# Altium PCB 脑电采集板V6.0.PcbDoc (part 2 of 2)
Units mil, origin at the board's own origin, x right, y up, seen from the top; angles counter-clockwise.
Board outline 2952.76 x 2952.76 mil, 4 copper layers (Top Layer, GND02, PWR03, Bottom Layer), stack 30.634 mil thick; 182 components, 137 nets, 727 pads, 321 vias.
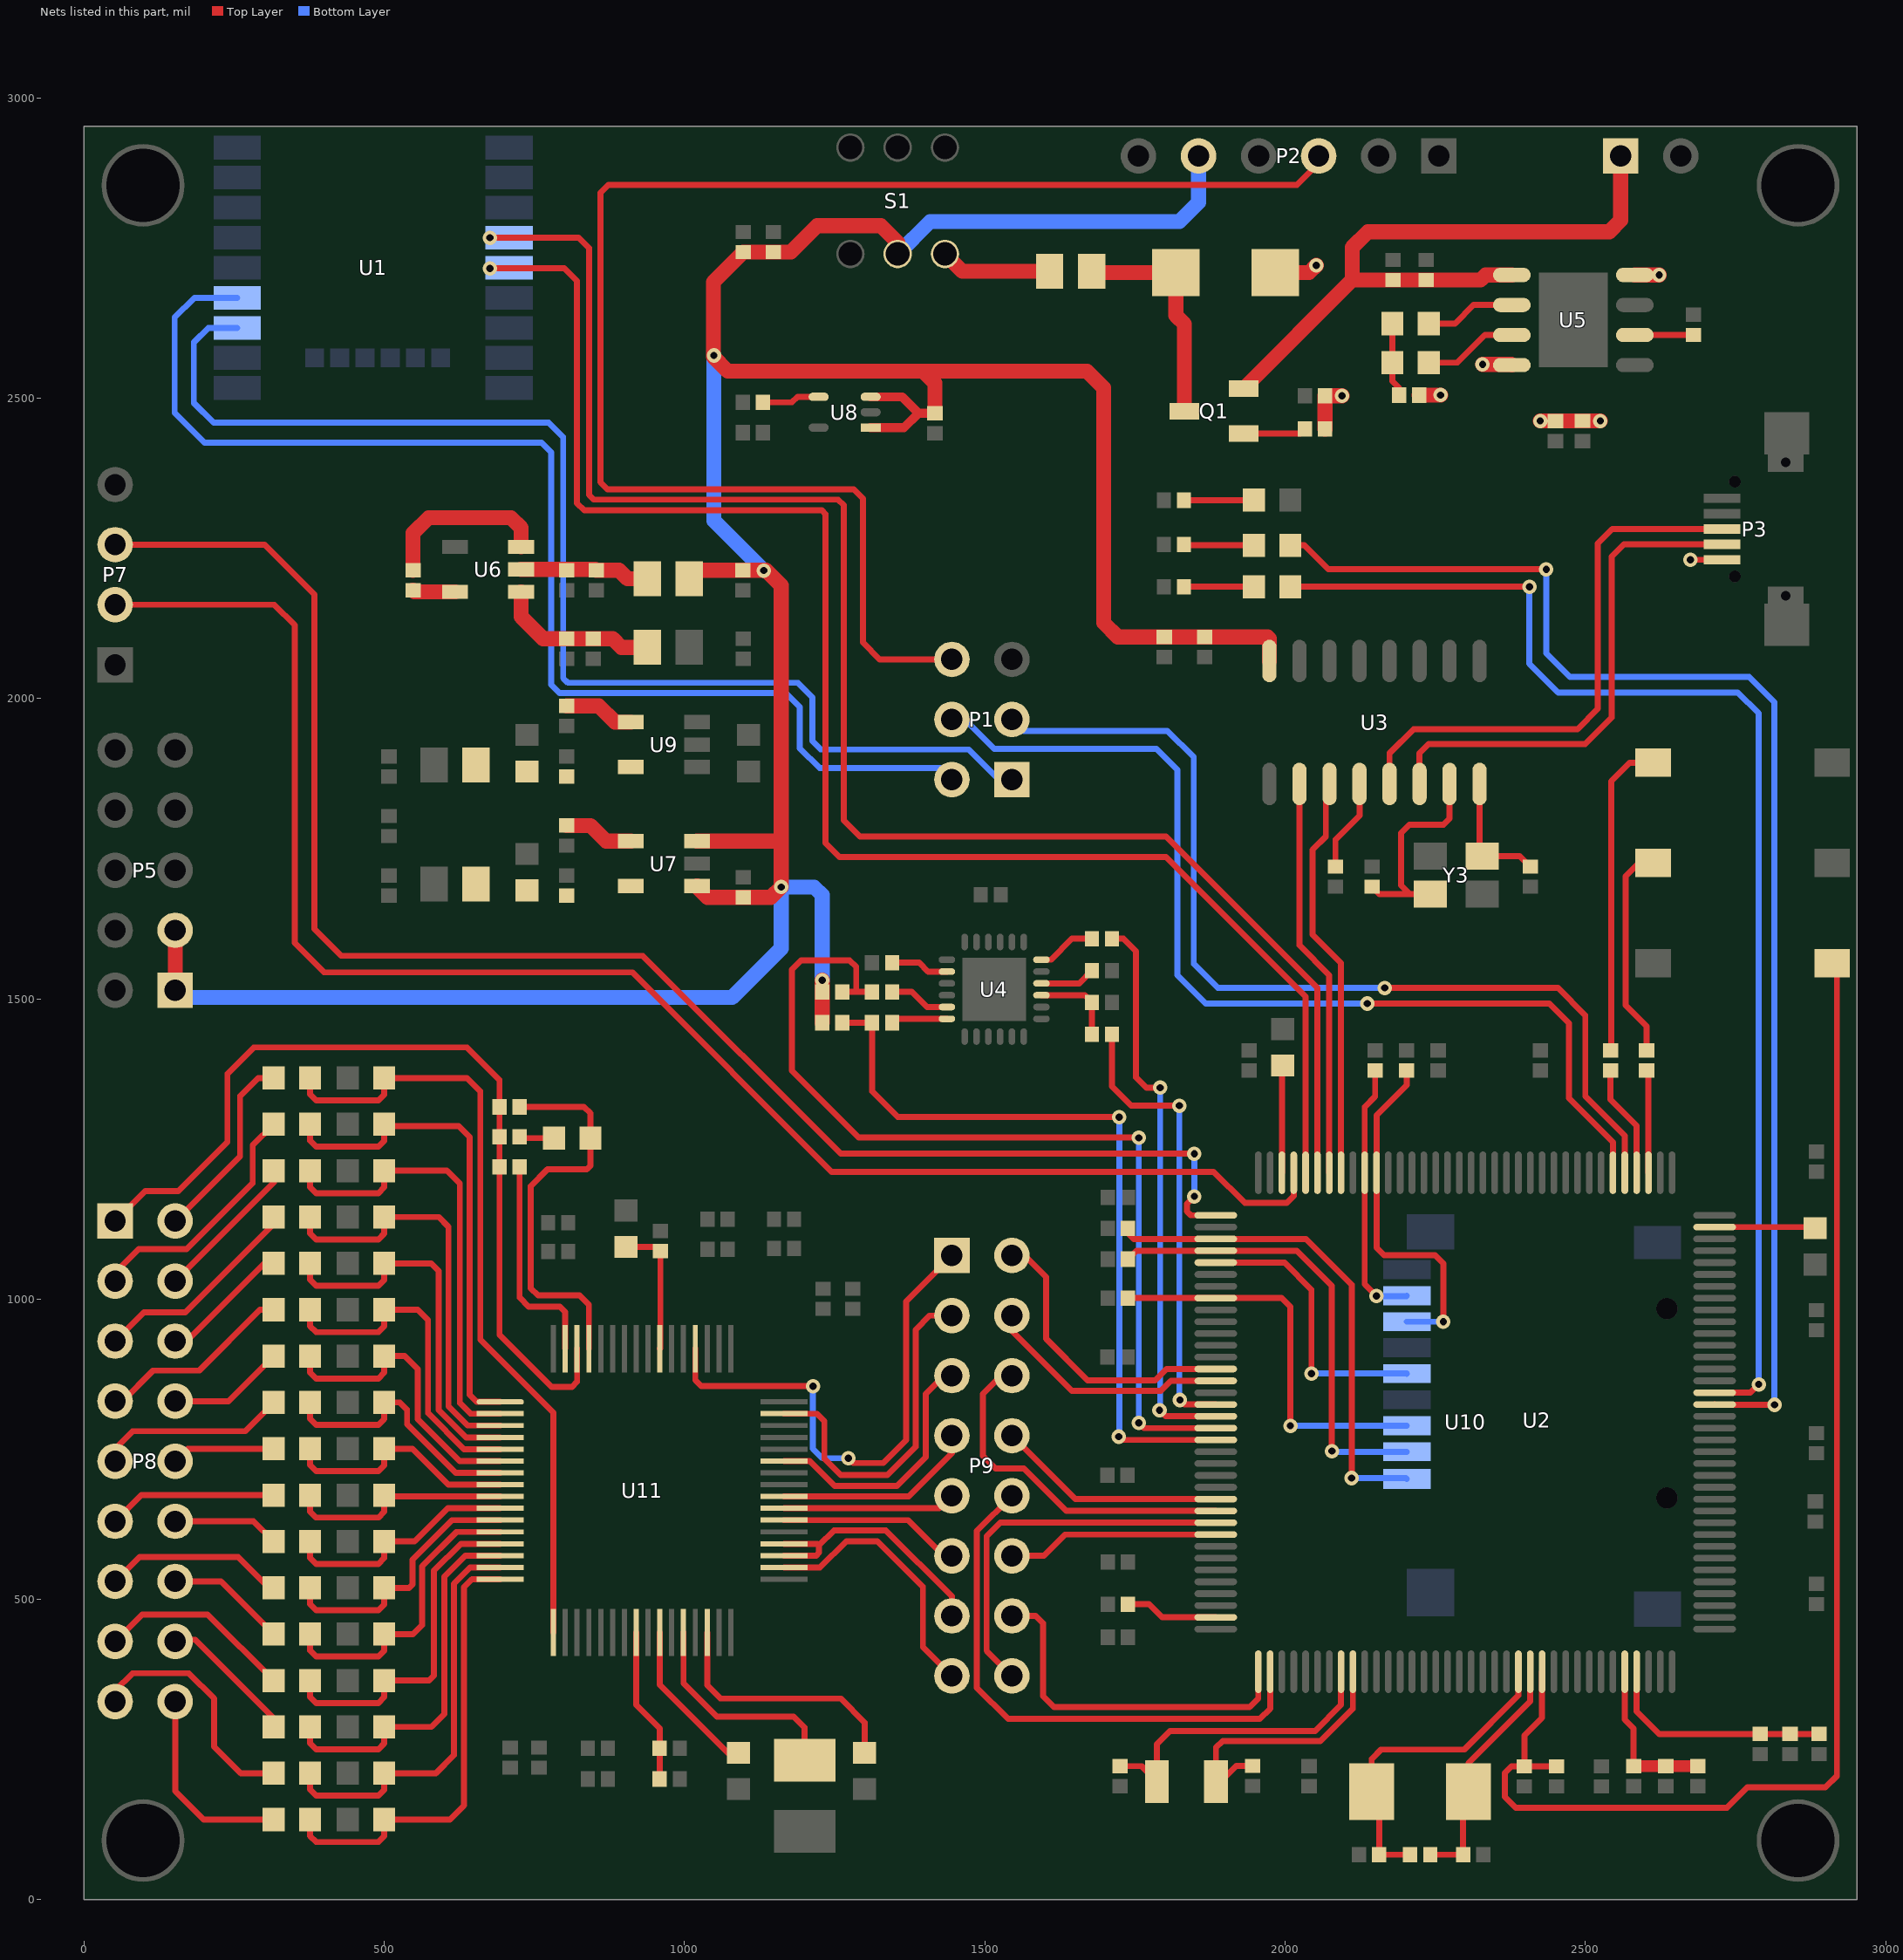
[diagram p4: the nets of this part, all layers, seen from the top]

## Via types
v1: diameter 24, hole 12, Top Layer to Bottom Layer, tented both sides, 321 vias

## Nets (pads, with @x,y where several pads share a name; then routed paths per layer and width w, separated by ;. In a path a pad name is that pad's centre, name@x,y a point inside that pad or via, vN(x,y) a via of type N, cw(c..) or ccw(c..) an arc to the next point about the centre after c; other vN are vias at no path point) (continued)
HC05_TX: P1.6 P2.3 | length 2558.4
  Top Layer w10: P1.6@1445.28,2065 1325,2065 1297,2093 1297,2333 1282,2348 872,2348 860,2360 860,2842 873,2855 2020,2855 2056,2891 P2.3@2056,2903
IIC_SCL: R7.2 R8.2 U10.127 | length 1607.8
  Top Layer w10: R7.2@1262.73,1511.37 1286,1511.37 ; R8.2@1312.27,1511.37 1286,1511.37 ; v1(1756.53,794) 1765.37,785.16 U10.127@1884.65,785.16 ; v1(1756.53,1268.53) 1756.05,1269 1290,1269 1179,1380 1179,1548.8 1194.2,1564 1275,1564 1286,1553 1286,1511.37
  Bottom Layer w10: v1(1756.53,794) v1(1756.53,1268.53)
IIC_SDA: R9.2 R10.2 U10.128 | length 1289.6
  Top Layer w10: R9.2@1262.73,1460 R10.2@1312.27,1460 1312.27,1345.73 1355,1303 v1(1724,1303) ; v1(1723,771) 1728.53,765.47 U10.128@1884.65,765.47
  Bottom Layer w10: v1(1723,771) 1724,772 v1(1724,1303)
KEY1: R26.2 U10.76 | length 188.2
  Top Layer w10: R26.2@2542,1380.54 2542,1332 2585.43,1288.57 U10.76@2585.43,1210.35
KEY2: R28.2 U10.75 | length 171.5
  Top Layer w10: R28.2@2602,1380.54 2605.12,1377.42 U10.75@2605.12,1210.35
LED0: PWR.K U10.57 | length 2138.4
  Top Layer w10: PWR.K@2008.93,2186 v1(2407,2186) ; U10.57@2715.35,844.21 2774.92,844.21 v1(2788.71,858)
  Bottom Layer w10: v1(2407,2186) 2407,2058 2455,2010 2754,2010 2788.71,1975.29 v1(2788.71,858)
LED1: LED1.K U10.56 | length 2266.1
  Top Layer w10: LED1.K@2008.93,2255 2032,2255 2072,2215 v1(2435,2215) ; U10.56@2715.35,824.53 2715.88,824 v1(2815,824)
  Bottom Layer w10: v1(2435,2215) 2435,2075 2474,2036 2773,2036 2815,1994 v1(2815,824)
MPU_AD0: R13.2 U10.125 | length 765.4
  Top Layer w10: R13.2@1712,1441 1712,1354 1744,1322 v1(1824,1322) ; v1(1825,832) 1832.47,824.53 U10.125@1884.65,824.53
  Bottom Layer w10: v1(1824,1322) 1824,833 v1(1825,832)
MPU_INT: R12.1 U10.126 | length 941
  Top Layer w10: R12.1@1712,1600 1731,1600 1752,1579 1752,1369 1769,1352 v1(1792,1352) ; v1(1791,815) 1801.16,804.84 U10.126@1884.65,804.84
  Bottom Layer w10: v1(1791,815) 1792,816 v1(1792,1352)
NetC2_1: C2.1 U4.20 | length 97.4
  Top Layer w10: C2.1@1345.73,1560 1391,1560 1405.72,1545.28 U4.20@1437.01,1545.28
NetC6_1: C6.1 U3.4 | length 154.2
  Top Layer w10: C6.1@2084,1720 2084,1765 2124,1805 U3.4@2124,1857.64
NetC7_2: C7.2 U4.10 | length 92.9
  Top Layer w10: U4.10@1594.49,1525.59 1657.13,1525.59 C7.2@1678.54,1547
NetC14_1: C14.1 U6.5 | length 70.9
  Top Layer w25: C14.1@548,2180 550.4,2177.6 U6.5@617.88,2177.6
NetC14_2: C14.2 U6.3 | length 291
  Top Layer w25: C14.2@548,2213.46 548,2275 574,2301 711,2301 728.12,2283.88 U6.3@728.12,2252.4
NetC16_2: C16.2 C17.2 L2.1 U6.1 | length 272.6
  Top Layer w25: U6.1@728.12,2177.6 728.12,2135.88 764.63,2099.37 C17.2@804.02,2099.37 C16.2@847.96,2099.37 880.63,2099.37 895,2085 L2.1@937.92,2085
NetC19_2: C19.2 C20.2 L1.2 U6.2 | length 216.4
  Top Layer w25: U6.2@728.12,2215 851.46,2215 C19.2@853,2213.46 891,2213.46 905.37,2199.09 L1.2@937.92,2199.09
NetC22_2: C22.2 C23.2 L3.1 U7.5
NetC25_2: C25.2 U7.4 | length 117.5
  Top Layer w25: C25.2@804.02,1788.46 843.54,1788.46 869.6,1762.4 U7.4@910.69,1762.4
NetC29_2: C29.2 U8.4 | length 96.7
  Top Layer w10: C29.2@1130.48,2493 1179,2493 1188.1,2502.1 U8.4@1223.39,2502.1
NetC31_2: C31.2 C32.2 L4.1 U9.5
NetC34_2: C34.2 U9.4 | length 117.9
  Top Layer w25: C34.2@804.02,1987.68 857.32,1987.68 884.45,1960.55 U9.4@910.69,1960.55
NetC35_2: C35.2 U10.8 Y1.1 | length 523.4
  Top Layer w10: C35.2@1725,222.4 1760.98,222.4 Y1.1@1786.57,196.81 1786.57,258.94 1808.64,281 2050,281 2093.31,324.31 U10.8@2093.31,379.65
NetC36_2: C36.2 U10.9 Y1.2 | length 444.5
  Top Layer w10: C36.2@1946,222.73 1918.73,222.73 1892.81,196.81 Y1.2@1885,196.81 1885,253 1896,264 2059,264 2112.99,317.99 U10.9@2112.99,379.65
NetC37_2: C37.2 R22.1 U10.23 Y2.1 | length 543.7
  Top Layer w10: R22.1@2208.27,75 C37.2@2156.73,75 2156.73,167.56 Y2.1@2144.29,180 2144.29,234.29 2160,250 2298.53,250 2388.58,340.06 U10.23@2388.58,379.65
NetC38_2: C38.2 R22.2 U10.24 Y2.2 | length 405.7
  Top Layer w10: R22.2@2241.73,75 C38.2@2296.54,75 2296.54,170.83 Y2.2@2305.71,180 2305.71,227.71 2408.27,330.27 U10.24@2408.27,379.65
NetC39_1: C39.1 C40.1 R24.2 U10.33 | length 385.6
  Top Layer w10: U10.33@2585.43,379.65 2585.43,313.57 2623,276 R24.2@2791,276 C40.1@2841,276 C39.1@2889.43,276
NetC42_2: C42.2 U10.106 | length 179.1
  Top Layer w10: U10.106@1994.88,1210.35 1994.88,1387.88 C42.2@1996,1389
NetC45_2: C45.2 U10.71 | length 168.4
  Top Layer w10: U10.71@2715.35,1119.8 2881.2,1119.8 C45.2@2883,1118
NetC58_2: C58.2 R30.2 U11.15 | length 669.1
  Top Layer w10: R30.2@376.63,210.61 376.63,183.37 386.73,173.27 490.27,173.27 500,183 C58.2@500,210.61 ; 519.68,210.61 586,210.61 616,240.61 616,526 643.27,553.27 U11.15@693.25,553.27
NetC59_2: C59.2 R31.2 U11.7 | length 442.2
  Top Layer w10: R31.2@376.63,827.94 376.63,800.7 386.73,790.6 490.27,790.6 500,800.33 C59.2@500,827.94 525.94,827.94 538,815.89 538,792 619.25,710.75 U11.7@693.25,710.75
NetC60_1: C60.1 R32.2 U11.16 | length 738.6
  Top Layer w10: R32.2@376.63,133.44 376.63,106.2 386.73,96.1 490.27,96.1 500,105.83 C60.1@500,133.44 ; 519.69,133.44 609.44,133.44 633,157 633,520.37 646.21,533.58 U11.16@693.25,533.58
NetC61_1: C61.1 R33.2 U11.8 | length 404.4
  Top Layer w10: R33.2@376.63,750.78 376.63,723.54 386.73,713.43 490.27,713.43 500,723.17 C61.1@500,750.78 547.22,750.78 606.94,691.06 U11.8@693.25,691.06
NetC62_2: C62.2 R34.2 U11.13 | length 556.8
  Top Layer w10: R34.2@376.63,364.94 376.63,337.7 386.73,327.6 490.27,327.6 500,337.33 C62.2@500,364.94 ; 519.68,364.94 574.94,364.94 582.88,372.88 582.88,547.88 627.64,592.64 U11.13@693.25,592.64
NetC63_2: C63.2 R35.2 U11.5 | length 566.7
  Top Layer w10: R35.2@376.63,982.28 376.63,955.03 386.73,944.93 490.27,944.93 500,954.66 C63.2@500,982.28 555.83,982.28 573,965.11 573,810 632.88,750.12 U11.5@693.25,750.12
NetC64_1: C64.1 R36.2 U11.14 | length 612.3
  Top Layer w10: R36.2@376.63,287.78 376.63,260.54 386.73,250.43 490.27,250.43 500,260.17 C64.1@500,287.78 ; 519.69,287.78 578.78,287.78 600,309 600,538 634.95,572.95 U11.14@693.25,572.95
NetC65_1: C65.1 R37.2 U11.6 | length 500.7
  Top Layer w10: R37.2@376.63,905.11 376.63,877.87 386.73,867.77 490.27,867.77 500,877.5 C65.1@500,905.11 533.89,905.11 555.72,883.28 555.72,800.28 625.57,730.43 U11.6@693.25,730.43
NetC66_2: C66.2 R38.2 U11.11 | length 450.4
  Top Layer w10: R38.2@376.63,519.28 376.63,492.04 386.73,481.93 490.27,481.93 500,491.67 C66.2@500,519.28 541.28,519.28 547,525 547,566 613.01,632.01 U11.11@693.25,632.01
NetC67_2: C67.2 R39.2 U11.3 | length 698.4
  Top Layer w10: R39.2@376.63,1136.61 376.63,1109.37 386.73,1099.27 490.27,1099.27 500,1109 C67.2@500,1136.61 591,1136.61 607,1120.61 607,822 639.51,789.49 U11.3@693.25,789.49
NetC68_1: C68.1 R40.2 U11.12 | length 507.6
  Top Layer w10: R40.2@376.63,442.11 376.63,414.87 386.73,404.77 490.27,404.77 500,414.5 C68.1@500,442.11 548.11,442.11 563,457 563,555 620.32,612.32 U11.12@693.25,612.32
NetC69_1: C69.1 R41.2 U11.4 | length 635.3
  Top Layer w10: R41.2@376.63,1059.44 376.63,1032.2 386.73,1022.1 490.27,1022.1 500,1031.83 C69.1@500,1059.44 578.56,1059.44 591,1047 591,815.37 636.57,769.8 U11.4@693.25,769.8
NetC70_2: C70.2 R42.2 U11.9 | length 380.6
  Top Layer w10: R42.2@376.63,673.61 376.63,646.37 386.73,636.27 490.27,636.27 500,646 C70.2@500,673.61 502.23,671.38 U11.9@693.25,671.38
NetC71_2: C71.2 R43.2 U11.1 | length 822.5
  Top Layer w10: R43.2@376.63,1290.94 376.63,1263.7 386.73,1253.6 490.27,1253.6 500,1263.33 C71.2@500,1290.94 503.08,1287.86 624.14,1287.86 642,1270 642,840.86 654,828.86 U11.1@693.25,828.86
NetC72_1: C72.1 R44.2 U11.10 | length 402.6
  Top Layer w10: R44.2@376.63,596.44 376.63,569.2 386.73,559.1 490.27,559.1 500,568.83 C72.1@500,596.44 550.44,596.44 605.69,651.69 U11.10@693.25,651.69
NetC73_1: C73.1 R45.2 U11.2 | length 761.1
  Top Layer w10: R45.2@376.63,1213.78 376.63,1186.53 386.73,1176.43 490.27,1176.43 500,1186.16 C73.1@500,1213.78 604.22,1213.78 626,1192 626,827 643.83,809.17 U11.2@693.25,809.17
NetC74_2: C74.2 R46.2 U11.17 | length 1307.1
  Top Layer w10: R46.2@376.63,1368.11 376.63,1340.87 386.73,1330.77 490.27,1330.77 500,1340.5 C74.2@500,1368.11 637.89,1368.11 660,1346 660,933 781.84,811.16 U11.17@781.84,445
NetC75_1: C75.1 P8.1 R48.1 R49.2 U11.62 | length 1496.1
  Top Layer w10: P8.1@52,1130 102,1180 157,1180 239,1262 239,1375 283,1419 638,1419 692,1365 C75.1@692,1320 R48.1@692,1270 R49.2@692,1220 692,941 779,854 813,854 821.2,862.2 U11.62@821.2,917.44
NetC75_2: C75.2 R47.2 U11.61 | length 674.2
  Top Layer w10: C75.2@725.46,1320 832.73,1320 843.32,1309.42 R47.2@843.32,1268 843.32,1222 837.32,1216 771.89,1216 744,1188.11 744,1018 756,1006 825,1006 840.89,990.11 U11.61@840.89,917.44
NetC88_2: C88.2 C89.1 U11.24 | length 260.2
  Top Layer w10: U11.24@919.63,445 919.63,324.37 958.68,285.32 C88.2@958.68,252.2 C89.1@958.69,201
NetC90_2: C90.2 U3.7 Y3.1 | length 357.8
  Top Layer w10: C90.2@2145,1686.54 2157.03,1674.5 2207.5,1674.5 ; Y3.1@2241.69,1674.5 2207.5,1674.5 ; U3.7@2274,1857.64 2274,1800 2264,1790 2207,1790 2193,1776 2193,1689 2207.5,1674.5
NetC91_1: C91.1 U11.28 | length 371.4
  Top Layer w10: U11.28@998.37,445 998.37,360.63 1054,305 1182,305 1200,287 C91.1@1200,232.06
NetC92_2: C92.2 U11.30 | length 426.1
  Top Layer w10: U11.30@1037.74,445 1037.74,357.26 1060,335 1260,335 1300,295 C92.2@1300,244.72
NetC93_2: C93.2 C94.2 U11.55 | length 223.5
  Top Layer w10: C94.2@902.36,1086.89 953.11,1086.89 C93.2@960,1080 960,918.44 U11.55@959,917.44
NetC95_2: C95.2 U11.26 | length 264.9
  Top Layer w10: U11.26@959,445 959,358 1072.28,244.72 C95.2@1090,244.72
NetC96_2: C96.2 U3.8 Y3.3 | length 209.1
  Top Layer w10: U3.8@2324,1857.64 2324,1741.8 Y3.3@2328.31,1737.5 2390.77,1737.5 C96.2@2408.27,1720
NetD1_2: D1.2 F1.1 Q1.3 | length 377.6
  Top Layer w25: F1.1@1678.08,2711 1680.08,2709 D1.2@1818.32,2709 1818.32,2637.68 1832.57,2623.43 Q1.3@1832.57,2478.4
NetD2_A: D2.A D3.A R17.1 | length 123.7
  Top Layer w10: D3.A@2178.57,2624 D2.A@2178.57,2559.09 2178.57,2528.43 2189.84,2517.16 R17.1@2189.84,2505
NetD2_K: D2.K U5.7 | length 157.4
  Top Layer w10: D2.K@2239.2,2559.09 2287.09,2559.09 2333,2605 U5.7@2377.64,2605
NetD3_K: D3.K U5.6 | length 151.3
  Top Layer w10: D3.K@2239.2,2624 2283,2624 2314,2655 U5.6@2377.64,2655
NetD4_A: LED1.A R19.2 | length 116
  Top Layer w10: R19.2@1832.67,2254.21 1833.46,2255 LED1.A@1948.3,2255
NetD5_A: PWR.A R20.2 | length 123.6
  Top Layer w10: R20.2@1831.73,2186 PWR.A@1948.3,2186 PWR.A@1943.35,2181.06
NetD6_A: LED0.A R21.2 | length 116.6
  Top Layer w10: R21.2@1831.73,2330 LED0.A@1948.3,2330
NetF1_2: F1.2 S1.1 | length 186.3
  Top Layer w25: S1.1@1433.74,2740 1462.74,2711 F1.2@1608,2711
NetKEY1_2: KEY1.2 R26.1 | length 531.3
  Top Layer w10: R26.1@2542,1414 2543,1415 2543,1862 2574,1893 KEY1.2@2613,1893
NetKEY2_2: KEY2.2 R28.1 | length 359.6
  Top Layer w10: R28.1@2602,1414 2602,1454 2567,1489 2567,1704 2589,1726 KEY2.2@2613,1726
NetP8_2: P8.2 R46.1 | length 321.2
  Top Layer w10: P8.2@152,1130 260,1238 260,1338 290.11,1368.11 R46.1@316,1368.11
NetP8_3: P8.3 R43.1 | length 417.2
  Top Layer w10: P8.3@52,1030 52,1044 91,1083 171,1083 281,1193 281,1255.94 R43.1@316,1290.94
NetP8_4: P8.4 R45.1 | length 251.7
  Top Layer w10: P8.4@152,1030 316,1194 R45.1@316,1213.78
NetP8_5: P8.5 R39.1 | length 356.4
  Top Layer w10: P8.5@52,930 100,978 169,978 316,1125 R39.1@316,1136.61
NetP8_6: P8.6 R41.1 | length 217.6
  Top Layer w10: P8.6@152,930 171,930 300.44,1059.44 R41.1@316,1059.44
NetP8_7: P8.7 R35.1 | length 327.1
  Top Layer w10: P8.7@52,830 64,830 115,881 192,881 293.28,982.28 R35.1@316,982.28
NetP8_8: P8.8 R37.1 | length 195.1
  Top Layer w10: P8.8@152,830 240.89,830 R37.1@316,905.11
NetP8_9: P8.9 R31.1 | length 316.9
  Top Layer w10: P8.9@52,730 52,751 81,780 268.06,780 R31.1@316,827.94
NetP8_10: P8.10 R33.1 | length 172.6
  Top Layer w10: P8.10@152,730 172.78,750.78 R33.1@316,750.78
NetP8_11: P8.11 R42.1 | length 282.1
  Top Layer w10: P8.11@52,630 95.61,673.61 R42.1@316,673.61
NetP8_12: P8.12 R44.1 | length 177.9
  Top Layer w10: P8.12@152,630 282.44,630 R44.1@316,596.44
NetP8_13: P8.13 R38.1 | length 302
  Top Layer w10: P8.13@52,530 92.53,570.53 257,570.53 308.25,519.28 R38.1@316,519.28
NetP8_14: P8.14 R40.1 | length 200.4
  Top Layer w10: P8.14@152,530 228.11,530 R40.1@316,442.11
NetP8_15: P8.15 R34.1 | length 328.2
  Top Layer w10: P8.15@52,430 97,475 205.94,475 R34.1@316,364.94
NetP8_16: P8.16 R36.1 | length 259.2
  Top Layer w10: P8.16@152,430 152,412 173,433 185,433 316,302 R36.1@316,287.78
NetP8_17: P8.17 R30.1 | length 409.9
  Top Layer w10: P8.17@52,330 52,348.26 80.74,377 175,377 217,335 217,255 261.39,210.61 R30.1@316,210.61
NetP8_18: P8.18 R32.1 | length 332.7
  Top Layer w10: P8.18@152,330 152,181 199.56,133.44 R32.1@316,133.44
NetP9_1: P9.1 U11.52 | length 876.1
  Top Layer w10: U11.52@1018.05,917.44 1018.05,864.95 1028,855 v1(1214,855) ; v1(1273,735) 1281,727 1330.57,727 1369,765.43 1369,996.24 P9.1@1445.28,1072.52
  Bottom Layer w10: v1(1214,855) 1214,751 1230,735 v1(1273,735)
NetP9_2: P9.2 U10.122 | length 493.5
  Top Layer w10: P9.2@1545.28,1072.52 1566.48,1072.52 1602,1037 1602,934 1671.2,864.8 1783.8,864.8 1802.58,883.58 U10.122@1884.65,883.58
NetP9_3: P9.3 U11.47 | length 582.6
  Top Layer w10: U11.47@1165.69,809.17 1220.1,809.17 1233,796.28 1233,734 1260,707 1338,707 1385,754 1385,949 1408.52,972.52 P9.3@1445.28,972.52
NetP9_4: P9.4 U10.123 | length 413.5
  Top Layer w10: P9.4@1545.28,972.52 1545.28,946.72 1645,847 1793.27,847 1810.17,863.9 U10.123@1884.65,863.9
NetP9_5: P9.5 U11.43 | length 434.3
  Top Layer w10: U11.43@1165.69,730.43 1208.57,730.43 1250,689 1353.99,689 1402,737.01 1402,842 1432.52,872.52 P9.5@1445.28,872.52
NetP9_6: P9.6 U10.134 | length 589.5
  Top Layer w10: P9.6@1545.28,872.52 1527.52,872.52 1497,842 1497,739 1518,718 1565,718 1635.64,647.36 U10.134@1884.65,647.36
NetP9_7: P9.7 U11.40 | length 338.6
  Top Layer w10: U11.40@1165.69,671.38 1373.38,671.38 1445.28,743.28 P9.7@1445.28,772.52
NetP9_8: P9.8 U10.133 | length 383.1
  Top Layer w10: P9.8@1545.28,772.52 1650.75,667.05 U10.133@1884.65,667.05
NetP9_9: P9.9 U11.39 | length 288.2
  Top Layer w10: U11.39@1165.69,651.69 1424.45,651.69 P9.9@1445.28,672.52
NetP9_10: P9.10 U10.2 | length 922
  Top Layer w10: P9.10@1545.28,672.52 1487,614.24 1487,353 1539,301 1958,301 1975.2,318.2 U10.2@1975.2,379.65
NetP9_11: P9.11 U11.38 | length 304.2
  Top Layer w10: U11.38@1165.69,632.01 1371.99,632.01 1431.48,572.52 P9.11@1445.28,572.52
NetP9_12: P9.12 U10.136 | length 354.1
  Top Layer w10: P9.12@1545.28,572.52 1598.52,572.52 1633.99,607.99 U10.136@1884.65,607.99
NetP9_13: P9.13 U11.35 U11.36 | length 438
  Top Layer w10: U11.35@1165.69,572.95 1219.32,572.95 1224,577.64 1224,590 1249,615 1335.31,615 1445.28,505.03 P9.13@1445.28,472.52 ; U11.36@1165.69,592.64 1221.36,592.64
NetP9_14: P9.14 U10.1 | length 594.3
  Top Layer w10: P9.14@1545.28,472.52 1585,472.52 1597,460.52 1597,339 1615,321 1941,321 1955.51,335.51 U10.1@1955.51,379.65
NetP9_15: P9.15 U11.34 | length 449.4
  Top Layer w10: U11.34@1165.69,553.27 1225.63,553.27 1269.36,597 1321,597 1397,521 1397,420.8 P9.15@1445.28,372.52
NetP9_16: P9.16 U10.135 | length 641
  Top Layer w10: P9.16@1545.28,372.52 1503,414.8 1503,605 1525.68,627.68 U10.135@1884.65,627.68
NetQ1_1: Q1.1 R15.2 | length 105.3
  Top Layer w10: Q1.1@1931,2441 2025.76,2441 R15.2@2033.2,2448.45
NetR8_1: R8.1 U4.23 | length 101.7
  Top Layer w10: R8.1@1345.73,1511.37 1378.63,1511.37 1403.78,1486.22 U4.23@1437.01,1486.22
NetR10_1: R10.1 U4.24 | length 94
  Top Layer w10: R10.1@1345.73,1460 1352.27,1466.54 U4.24@1437.01,1466.54
NetR11_1: R11.1 R13.1 U4.9 | length 142
  Top Layer w10: U4.9@1594.49,1505.91 1666.63,1505.91 R11.1@1678.54,1494 R13.1@1678.54,1441
NetR12_2: R12.2 U4.12 | length 98.6
  Top Layer w10: U4.12@1594.49,1564.96 1609.96,1564.96 1645,1600 R12.2@1678.54,1600
NetR16_2: R16.2 U5.2 | length 97.7
  Top Layer w10: U5.2@2582.36,2605 2679.73,2605 R16.2@2680,2605.27
NetR18_2: R18.2 U10.143 | length 155.2
  Top Layer w10: R18.2@1738.46,492 1773.8,492 1795.6,470.2 U10.143@1884.65,470.2
NetR47_1: R47.1 R48.2 | length 58
  Top Layer w10: R48.2@725.46,1270 727.46,1268 R47.1@782.69,1268
NetR49_1: R49.1 U11.63 | length 364.7
  Top Layer w10: R49.1@725.46,1220 725.46,1002.54 740.42,987.58 792.69,987.58 801.52,978.76 U11.63@801.52,917.44
nRF_RX: P1.1 U1.18 | length 2082.8
  Bottom Layer w10: U1.18@255.24,2617 207,2617 183,2593 183,2492 216,2459 774,2459 798,2435 798,2034.02 806.02,2026 1189,2026 1213,2002 1213,1929 1227,1915 1473,1915 1523,1865 P1.1@1545.28,1865
nRF_TX: P1.2 U1.19 | length 2090.4
  Bottom Layer w10: U1.19@255.24,2667 184,2667 151,2634 151,2476 201,2426 762,2426 778,2410 778,2023 792,2009 1169,2009 1192,1986 1192,1917 1225,1884 1426.28,1884 P1.2@1445.28,1865
PA11: U1.4 U10.103 | length 2751.2
  Top Layer w10: v1(676,2767) 823.95,2767 841,2749.95 841,2339 849,2331 1256,2331 1265,2322 1265,1797 1292,1770 1802,1770 2053.94,1518.06 U10.103@2053.94,1210.35
PA12: U1.5 U10.104 | length 2691.5
  Top Layer w10: v1(676,2716) 800,2716 821,2695 821,2325 833,2313 1229,2313 1235,2307 1235,1759 1258,1736 1802,1736 2034.25,1503.75 U10.104@2034.25,1210.35
RESET: C41.2 R23.2 RESET.1 U10.25 | length 2239.1
  Top Layer w10: U10.25@2427.95,379.65 2427.95,302.95 2398.52,273.52 C41.2@2398.52,222 ; R23.2@2452,222 C41.2@2398.52,222 ; RESET.1@2911,1559 2919,1551 2919,206 2900,187 2770,187 2736,153 2384,153 2366,171 2366,211 2377,222 C41.2@2398.52,222
SDIO_CMD: R3.1 U2.3 U10.116 | length 670.2
  Top Layer w10: R3.1@1738.46,1001.69 1738.46,1000.46 1739.69,1001.69 U10.116@1884.65,1001.69 1994.31,1001.69 2008.88,987.12 v1(2008.88,789.12)
  Bottom Layer w10: v1(2008.88,789.12) U2.3@2202.93,789.12
SDIO_D0: R5.1 U2.7 U10.98 | length 596.1
  Top Layer w10: R5.1@2202.5,1380.54 2202.5,1356.5 2152.36,1306.36 U10.98@2152.36,1210.35 2152.36,1085.64 2165,1073 2250,1073 2263.65,1059.35 v1(2263.65,962.35)
  Bottom Layer w10: U2.7@2202.93,962.35 v1(2263.65,962.35) v1@2264,962
SDIO_D1: R6.1 U2.8 U10.99 | length 441.7
  Top Layer w10: R6.1@2150,1380.54 2150,1337 2132.68,1319.68 U10.99@2132.68,1210.35 2132.68,1024.71 v1(2152.39,1005)
  Bottom Layer w10: v1(2152.39,1005) 2202.28,1005 U2.8@2202.93,1005.65
SDIO_D2: R1.1 U2.1 U10.111 | length 830.5
  Top Layer w10: R1.1@1738.46,1117.58 1738.46,1109.54 1747.88,1100.12 U10.111@1884.65,1100.12 2034.88,1100.12 2111,1024 v1(2111,702)
  Bottom Layer w10: v1(2111,702) 2201.46,702 U2.1@2202.93,700.54
SDIO_D3: R2.1 U2.2 U10.112 | length 770.2
  Top Layer w10: R2.1@1738.46,1066.46 1752.43,1080.43 U10.112@1884.65,1080.43 2019.94,1080.43 2078,1022.37 v1(2078,747)
  Bottom Layer w10: v1(2078,747) 2079.19,745.81 U2.2@2202.93,745.81
SDIO_SCK: U2.5 U10.113 | length 476.9
  Top Layer w10: U10.113@1884.65,1060.75 1999.25,1060.75 2044,1016 v1(2044,876)
  Bottom Layer w10: v1(2044,876) 2202.66,876 U2.5@2202.93,875.73
SWCLK: P7.3 U10.109 | length 2694.6
  Top Layer w10: P7.3@52,2256 301,2256 384,2173 384,1616 428.5,1571.5 930.5,1571.5 1260,1242 v1(1849,1242) ; v1(1849,1171) 1837,1159 1837,1146 1843.51,1139.49 U10.109@1884.65,1139.49
  Bottom Layer w10: v1(1849,1171) v1(1849,1242)
SWDIO: P7.2 U10.105 | length 2728.6
  Top Layer w10: P7.2@52,2156 317,2156 351,2122 351,1593 400,1544 913,1544 1245,1212 1881,1212 1933,1160 2003,1160 2014.57,1171.57 U10.105@2014.57,1210.35
USART1_RX: U3.2 U10.102 | length 667.8
  Top Layer w10: U3.2@2024,1857.64 2024,1589 2073.62,1539.38 U10.102@2073.62,1210.35
USART1_TX: U3.3 U10.101 | length 678.5
  Top Layer w10: U3.3@2074,1857.64 2068,1851.64 2068,1770 2046,1748 2046,1607 2093.31,1559.69 U10.101@2093.31,1210.35
USART3_RX: P1.4 U10.78 | length 1716.6
  Top Layer w10: v1(2137,1492) 2440,1492 2472.75,1459.25 2472.75,1334.25 2546.06,1260.94 U10.78@2546.06,1210.35
  Bottom Layer w10: P1.4@1445.28,1965 1467,1965 1516,1916 1786,1916 1821,1881 1821,1539 1868,1492 v1(2137,1492)
USART3_TX: P1.3 U10.77 | length 1649.8
  Top Layer w10: v1(2166,1518.06) 2454.67,1518.06 2500,1472.73 2500,1338 2565.75,1272.25 U10.77@2565.75,1210.35
  Bottom Layer w10: P1.3@1545.28,1965 1564.28,1946 1804,1946 1848,1902 1848,1558 1887.94,1518.06 v1(2166,1518.06)
USB_5V: C8.2 C9.2 D1.1 P3.1 R14.1 R15.1 R17.2 U5.4 U5.8 | length 435.1
  Top Layer w10: v1(2675,2231) 2675.18,2230.82 P3.1@2727.39,2230.82
  Top Layer w25: D1.1@1983.68,2709 2040,2709 v1(2052,2721) ; R15.1@2066.67,2448.45 R14.1@2066.67,2504 v1(2095,2504) ; R17.2@2223.31,2505 v1(2259,2505) ; v1(2329,2556) 2376.64,2556 U5.8@2377.64,2555 ; v1(2425,2462) 2425.09,2461.91 C8.2@2450.27,2461.91 2495.23,2461.91 C9.2@2495.27,2461.95 2524.94,2461.95 v1(2525,2462) ; U5.4@2582.36,2705 v1(2623,2705)
USBDM: P3.2 U3.6 | length 855.6
  Top Layer w10: U3.6@2224,1857.64 2224,1909 2239,1924 2500,1924 2544,1968 2544,2236 2564.41,2256.41 P3.2@2727.39,2256.41
USBDP: P3.3 U3.5 | length 920.3
  Top Layer w10: U3.5@2174,1857.64 2174,1909 2214,1949 2487,1949 2521,1983 2521,2258 2545,2282 P3.3@2727.39,2282
V_BAT: C10.2 C11.2 P6.1 Q1.2 U5.5 | length 1152.2
  Top Layer w25: Q1.2@1931,2515.8 2111.73,2696.54 ; U5.5@2377.64,2705 2334,2705 2325.54,2696.54 C11.2@2234.73,2696.54 C10.2@2179.61,2696.54 2111.73,2696.54 ; P6.1@2559,2903 2559,2796 2540,2777 2138,2777 2111.73,2750.73 2111.73,2696.54
VCC: C4.1 C5.1 C12.2 C13.2 C18.2 C21.2 C26.2 L1.1 P2.5 P5.1 P5.3 R7.1 R9.1 S1.2 U3.16 U7.1 U7.3 U8.1 U8.3 | length 5683.2
  Top Layer w15: U8.1@1310,2450.92 1365.48,2450.92 1389.54,2474.98 ; U8.3@1310,2502.1 1362.41,2502.1 1389.54,2474.98 ; C26.2@1417,2474.98 1389.54,2474.98
  Top Layer w25: P5.1@152,1514 P5.3@152,1614 ; L1.1@1008,2199.09 1022.37,2213.46 C18.2@1097,2213.46 1135.54,2213.46 1161,2188 1161,1762.4 ; U7.1@1020.93,1687.6 1020.93,1686.07 1038.32,1668.68 C21.2@1098,1668.68 1143.68,1668.68 v1(1161,1686) 1161,1762.4 ; U7.3@1020.93,1762.4 1161,1762.4 ; R9.1@1229.27,1460 R7.1@1229.27,1511.37 v1(1229.27,1531) ; S1.2@1355,2740 1355,2759 1327,2787 1221,2787 1177.08,2743.08 C13.2@1098,2743.08 1048,2693.08 1048,2569 1072,2545 1397,2545 ; C26.2@1417,2474.98 1417,2525 1397,2545 ; U3.16@1974,2062.36 1974,2099.37 1970.91,2102.46 C4.1@1866,2102.46 C5.1@1799,2102.46 1721.54,2102.46 1698,2126 1698,2517.08 1670.08,2545 1397,2545
  Bottom Layer w25: P5.1@152,1514 164,1502 1079,1502 1161,1584 v1(1161,1686) 1216,1686 1229.27,1672.73 v1(1229.27,1531) ; v1(1049,2571) 1049,2296 v1(1132,2213) ; S1.2@1355,2740 1409,2794 1824,2794 1856,2826 P2.5@1856,2903
VREF+: C43.2 C44.2 R25.1 U10.32 | length 270.3
  Top Layer w10: U10.32@2565.75,379.65 2565.75,300.03 2580.44,285.34 C43.2@2580.44,222.4
  Top Layer w20: C43.2@2580.44,222.4 C44.2@2633.92,222.4 R25.1@2687.4,222.4
pads on no net: P2.1 P2.6 P3. P3.4 P3.6 S1.3 S1.4 S1.5 S1.6 U1.2 U1.3 U1.6 U1.7 U1.8 U1.10 U1.11 U1.12 U1.13 U1.14 U1.15 U1.20 U1.21 U1.22 U1.23 U1.24 U2.0 U2.9 U2.10 U2.11 U2.12 U2.13 U3.9 U3.10 U3.11 U3.12 U3.13 U3.14 U3.15 U4.0 U4.2 U4.3 U4.4 U4.5 U4.6 U4.7 U4.14 U4.15 U4.16 U4.17 U4.19 U4.21 U4.22 U5.0 U10.3 U10.4 U10.5 U10.7 U10.10 U10.11 U10.12 U10.13 U10.14 U10.15 U10.18 U10.19 U10.20 U10.21 U10.22 U10.26 U10.27 U10.28 U10.29 U10.34 U10.35 U10.36 U10.37 U10.40 U10.41 U10.42 U10.43 U10.44 U10.45 U10.46 U10.47 U10.49 U10.50 U10.53 U10.54 U10.55 U10.58 U10.59 U10.60 U10.63 U10.64 U10.65 U10.66 U10.67 U10.68 U10.69 U10.70 U10.73 U10.74 U10.79 U10.80 U10.81 U10.82 U10.85 U10.86 U10.87 U10.88 U10.89 U10.90 U10.91 U10.92 U10.93 U10.96 U10.97 U10.100 U10.110 U10.114 U10.115 U10.117 U10.118 U10.119 U10.124 U10.129 U10.132 U10.137 U10.139 U10.140 U10.141 U10.142 U11.18 U11.27 U11.29 U11.37 U11.42 U11.44 U11.45 U11.46 U11.60 Y3.2 Y3.4
copper on no net: | length 0.1
  Bottom Layer w10: 2202.93,1048.96 2202.97,1049

## Polygon pours and split planes (outlines as drawn)
AGND on Top Layer "Top Layer-AGND" (solid, remove dead copper, pour order 22): -1,1433 937.68,1433 1303,1067.68 1303,738 1323,738 1323,1075 945,1453 -1,1453 -1,2426 130,2426 181,2375 768,2375 768,2395 188,2395 137,2446 -1,2446 -1,2953 2378,2953 2378,2825 1022.15,2825 961,2763.85 961,2395 888,2395 888,2375 980.5,2375 980.5,2755.5 1031,2806 2398,2806 2398,2953 2951,2953 2951.76,2952.24 2951.76,0 1384,0 1384,298 1323,359 1323,585 1303,585 1303,352 1364,291 1364,-1 0,-1 -1,0
AVSS on Top Layer "Top Layer-AVSS" (solid, remove dead copper, pour order 16): 861,265.32 861,77 874,77 885,77 1329,77 1329,208 1274,208 1274,161 1123,161 1123,164 1123,167 1123,207 1022,207 1022,266 980,266 980,265 980,176 898,176 898,265.32
-VCC on Top Layer "Top Layer--VCC" (solid, remove dead copper, pour order 14): 1065,2117 1065,2078 1129,2078 1129,1911 997,1911 997,1977 1082,1977 1083,1977 1083,2053 984,2053 981,2053 981,2117
AVDD on Top Layer "Top Layer-AVDD" (solid, remove dead copper, pour order 10): 494,1783 607,1783 607,1660.04 607,1659.04 544,1659.04 543,1659.04 543,1694 494,1694
AVSS on Top Layer "Top Layer-AVSS 1" (solid, remove dead copper, pour order 8): 494,1793 606,1793 607,1793 607,1920 607,1921 544,1921 543,1921 543,1885 543,1881.65 494,1881.65
NetC22_2 on Top Layer "Top Layer-NetC22_2" (solid, remove dead copper, pour order 6): 628,1720.85 628,1645.85 934,1645.85 934,1700.85 832,1700.85 832,1683.85 776,1683.85 776,1700.85 703,1700.85 703,1720.85
NetC31_2 on Top Layer "Top Layer-NetC31_2" (solid, remove dead copper, pour order 4): 628,1919 628,1844 934,1844 934,1899 832,1899 832,1882 776,1882 776,1899 703,1899 703,1919
no net on Top Layer "Top Layer-No Net" (solid, remove dead copper, pour order 0): 1084,2755
AGND on Bottom Layer "Bottom Layer-AGND" (solid, remove dead copper, pour order 26): -1,1433 937.68,1433 1303,1067.68 1303,738 1323,738 1323,1075 945,1453 -1,1453 -1,2426 130,2426 181,2375 768,2375 768,2395 188,2395 137,2446 -1,2446 -1,2953 2378,2953 2378,2825 1022.15,2825 961,2763.85 961,2395 888,2395 888,2375 980.5,2375 980.5,2755.5 1031,2806 2398,2806 2398,2953 2951,2953 2951.76,2952.24 2951.76,0 1384,0 1384,298 1323,359 1323,585 1303,585 1303,352 1364,291 1364,-1 0,-1 -1,0
AGND on GND02 (split plane): 2932.66,20.1 1385.09,20.1 1385.09,294 1384.74,296.61 1383.74,299.04 1382.13,301.13 1324.09,359.18 1324.09,574.73 1323.74,577.35 1322.74,579.78 1321.13,581.87 1319.04,583.47 1316.61,584.48 1314,584.82 1311.39,584.48 1308.96,583.47 1306.87,581.87 1305.26,579.78 1304.26,577.35 1303.91,574.73 1303.91,355 1304.26,352.39 1305.26,349.96 1306.87,347.87 1364.91,289.82 1364.91,20.1 20.1,20.1 20.1,1432.91 938.82,1432.91 1303.91,1067.82 1303.91,748 1304.26,745.39 1305.26,742.96 1306.87,740.87 1308.96,739.26 1311.39,738.26 1314,737.91 1316.61,738.26 1319.04,739.26 1321.13,740.87 1322.74,742.96 1323.74,745.39 1324.09,748 1324.09,1072 1323.74,1074.61 1322.74,1077.04 1321.13,1079.13 950.13,1450.13 948.04,1451.74 945.61,1452.74 943,1453.09 20.1,1453.09 20.1,2425.91 129.82,2425.91 177.87,2377.87 179.96,2376.26 182.39,2375.26 185,2374.91 759,2374.91 761.61,2375.26 764.04,2376.26 766.13,2377.87 767.74,2379.96 768.74,2382.39 769.09,2385 768.74,2387.61 767.74,2390.04 766.13,2392.13 764.04,2393.74 761.61,2394.74 759,2395.09 189.18,2395.09 141.13,2443.13 139.04,2444.74 136.61,2445.74 134,2446.09 20.1,2446.09 20.1,2932.66 2378.91,2932.66 2378.91,2825.27 1027.18,2825.27 1024.57,2824.92 1022.14,2823.91 1020.05,2822.31 964.87,2767.13 963.26,2765.04 962.26,2762.61 961.91,2760 961.91,2395.09 898,2395.09 895.39,2394.74 892.96,2393.74 890.87,2392.13 889.26,2390.04 888.26,2387.61 887.91,2385 888.26,2382.39 889.26,2379.96 890.87,2377.87 892.96,2376.26 895.39,2375.26 898,2374.91 972,2374.91 974.61,2375.26 977.04,2376.26 979.13,2377.87 980.74,2379.96 981.74,2382.39 982.09,2385 982.09,2755.82 1031.36,2805.09 2389,2805.09 2391.61,2805.44 2394.04,2806.44 2396.13,2808.05 2397.73,2810.14 2398.74,2812.57 2399.09,2815.18 2399.09,2932.66 2932.66,2932.66
AVSS on PWR03 (split plane): 1103.91,497 1104.26,494.39 1105.26,491.96 1106.87,489.87 1331.91,264.82 1331.91,20.1 859.09,20.1 859.09,147.81 859.74,149.39 860.09,152 859.74,154.61 858.74,157.04 857.13,159.13 855.04,160.73 852.61,161.74 850,162.09 692.18,162.09 691.09,163.18 691.09,218.82 792.4,320.13 794,322.22 794.3,322.93 795.01,324.65 795.35,327.27 795.35,344.74 795.35,1164.91 944,1164.91 946.61,1165.26 949.04,1166.26 951.13,1167.87 952.13,1168.87 953.74,1170.96 954.74,1173.39 955.09,1176 955.09,1786 954.74,1788.61 953.74,1791.04 952.13,1793.13 950.04,1794.74 947.61,1795.74 945,1796.09 452.09,1796.09 452.09,1923.91 1103.91,1923.91
DVDD on PWR03 (split plane): 1892.91,2926.82 1892.91,2382.91 1893.26,2380.3 1894.26,2377.87 1895.87,2375.78 1897.96,2374.18 1900.39,2373.17 1903,2372.83 2608.91,2372.83 2608.91,2070 2609.26,2067.39 2610.27,2064.96 2611.87,2062.87 2613.96,2061.26 2616.39,2060.26 2619,2059.91 2932.66,2059.91 2932.66,20.1 1352.09,20.1 1352.09,269 1351.74,271.61 1350.74,274.04 1349.13,276.13 1124.09,501.18 1124.09,1934 1123.74,1936.61 1122.74,1939.04 1121.13,1941.13 1119.04,1942.74 1116.61,1943.74 1114,1944.09 442,1944.09 439.39,1943.74 436.96,1942.74 434.87,1941.13 433.26,1939.04 432.26,1936.61 431.91,1934 431.91,1775 431.91,20.1 20.1,20.1 20.1,2932.66 1887.08,2932.66
AVDD on PWR03 (split plane): 934.91,1185.09 785.26,1185.09 782.65,1184.74 780.22,1183.74 778.13,1182.13 776.53,1180.04 775.52,1177.61 775.18,1175 775.18,344.74 775.18,331.44 673.87,230.13 672.26,228.04 671.26,225.61 670.91,223 670.91,159 671.26,156.39 672.26,153.96 673.87,151.87 680.87,144.87 682.96,143.27 685.39,142.26 688,141.91 838.91,141.91 838.91,20.1 452.09,20.1 452.09,1775 452.09,1775.91 934.91,1775.91
USB_5V on PWR03 (split plane): 2932.66,2080.09 2629.09,2080.09 2629.09,2382.91 2628.74,2385.52 2627.73,2387.96 2626.13,2390.05 2624.04,2391.65 2621.61,2392.66 2619,2393 1913.09,2393 1913.09,2931 1912.87,2932.66 2932.66,2932.66

## Other copper
Top Layer:
  pour cut-out: 223.71,1432.29 223,1433 268.3,1433 268.3,1430.07 270.37,1428 223.71,1381.33
  pour cut-out: 961,2763.85 961,2823.67 1020.81,2823.67
  pour cut-out: 1688.78,1370.35 1716.65,1342.48 1716.65,442.68 1848.66,442.68 1861.98,456 1859,458.98 1859,1149.52 1992.52,1149.52 2003,1160 1997,1166 1997,1419 1754,1419 1746,1427 1693,1374 1693,1368.11
  pour cut-out: 2934.29,1525.38 2933.13,1524.21 2933.13,200.15 2907.39,174.41 2952,174.41 2952,1523.9 2950.52,1525.38
  pour cut-out: 2460.52,1532.19 2525.06,1532.19 2528.87,1536 2528.87,1440.51 2524.17,1435.81 2519.2,1435.81 2510.81,1444.2 2510.81,1483.55 2509.17,1483.55
  pour cut-out: 2558.29,1723.46 2564.83,1723.46 2573.48,1732.11 2573.48,1864.31 2570.77,1864.31 2568.86,1866.23 2558.29,1855.66
  pour cut-out: 2075,1692.38 2077.58,1689.8 2173.55,1689.8 2204.13,1659.21 2204.13,1641.87 2365.87,1641.87 2367,1643 2367,1909.87 2261.41,1909.87 2208.15,1963.13 2163.84,1918.82 2032.51,1918.82 1999.25,1885.57 1999.25,1654 1942,1654 1940,1652 2003,1589 2036.96,1589 2061.29,1613.33 2061.29,1698.19 2067.06,1698.19 2073.62,1691.63
  pour cut-out: 1405.75,1055 1405.75,1112.05 1595.28,1112.05 1614,1093.32 1614,429 1401,429 1384.29,445.71 1384.29,1021.15 1416.43,1053.29
  pour cut-out: 798.34,804 798.34,817.71 823.81,843.19 827.81,839.19 1025,839.19 1025,845.83 1002.76,868.07 772.34,868.07 769,864.73 780.92,852.8 780.92,833.71
  pour cut-out: 706.84,972.29 706.13,973 707.29,974.16 707.29,993.73 710.78,993.73 712.29,995.25 735.25,972.29
  pour cut-out: 363.71,2129.98 363,2129.98 320.36,2172.62 2,2172.62 2,2265 0,2267 4.29,2271.29 301,2271.29 301,2234.37 368.71,2166.67 368.71,2131.5
  pour cut-out: 659.04,2774.02 659.04,2723.02 663.61,2718.46 825.71,2718.46 825.71,2751.02 802.7,2774.02
  pour cut-out: 1110,2522.06 1111,2521.06 1111,2430 1367.87,2430 1372.31,2434.44 1372.31,2516.69 1365,2524 1364,2523 1107.5,2523
  pour cut-out: 2150.27,2653.29 2267.51,2653.29 2267.51,2639.29 2274.17,2639.29 2307.04,2672.16 2305.2,2674 2151.82,2674 2151.82,2654.84
  pour cut-out: 1919.99,2215.29 2037.24,2215.29 2037.24,2201.29 2061.68,2201.29 2063,2199.98 2069.02,2206 2079.09,2206 2079.09,2207.91 2046,2241 2037.86,2232.86 1918.04,2232.86 1917,2231.82 1919.99,2228.82
  pour cut-out: 2101,1463 2227.41,1463 2234.41,1456 2234.41,1360 2242.48,1360 2245.48,1357 2239.71,1351.22 2239.71,1319.66 2200.6,1280.56 2200.6,1253.6 2194,1247 2186.11,1254.89 2100,1254.89 2100,1471 2103,1474
  pour cut-out: 1965.35,201 2093.86,201 2095.13,199.73 2129.56,234.16 2129.56,322 2031.05,322 1963.05,254 1968.8,248.25 1968.8,200.92
  pour cut-out: 1118,1404 1118.97,1404.97 1163.71,1404.97 1163.71,1375.31 1273.01,1266.01 1273.01,1257.29 1266.33,1257.29 1123.63,1400 1120.34,1400
  pour cut-out: 280,1411 623.7,1411 673.84,1360.86 672.31,1359.32 661.97,1359.32 636.29,1385 283,1385 277,1391 278,1392 278,1412
  pour cut-out: -3.28,283.96 -7,287.68 -7,1191 1,1199 4,1196 211,1196 211,325 160,274 150.04,283.96
GND02 (plane layer: these items are gaps in the copper):
  lines w20: -3,1443 943,1443 1314,1072 1314,748 ; 0,2436 134,2436 185,2385 759,2385 ; 898,2385 972,2385 972,2760 1027.18,2815.18 2389,2815.18 2389,2952.76 ; 1314,574.73 1314,355 1375,294 1375,1
PWR03 (plane layer: these items are gaps in the copper):
  lines w20: 428,0 442,14 442,1775 442,1934 1114,1934 1114,497 1342,269 1342,0 849,0 849,151 850,152 688,152 681,159 681,223 785.26,327.27 785.26,344.74 785.26,1175 944,1175 945,1176 945,1786 443,1786 ; 1885,2949 1903,2931 1903,2382.91 2619,2382.91 2619,2070 2953,2070

## Silkscreen, mask and mechanical layers (free items; w line width, h text height)
Top Overlay:
  drawing of 6511 lines, arcs and shapes, not listed
  text "VCC" at 1886,2838 h25 r180
  text "GND" at 1986,2838 h25 r180
  text "TX" at 2076,2838 h25 r180
  text "RX" at 2176,2838 h25 r180
  text "GND" at 112,2385 h25 r270
  text "CLK" at 112,2286.67 h25 r270
  text "DIO" at 112,2184.17 h25 r270
  text "3V3" at 112,2090 h25 r270
  text "HCT" at 1380.28,2034.78 h25 r90
  text "HCR" at 1635.28,2034.78 h25 r90
  text "AVSS" at 212,1959 h25 r270
  text "AVDD" at 247,1957.98 h25 r270
  text "U3R" at 1380.28,1933.12 h25 r90
  text "U3T" at 1635.28,1933.12 h25 r90
  text "GND" at 212,1844 h25 r270
  text "3V3" at 247,1844 h25 r270
  text "RFT" at 1380.28,1831.46 h25 r90
  text "RFR" at 1635.28,1831.46 h25 r90
  text "GND" at 212,1744 h25 r270
  text "3V3" at 247,1744 h25 r270
  text "GND" at 212,1644 h25 r270
  text "VCC" at 247,1644 h25 r270
  text "GND" at 212,1544 h25 r270
  text "VCC" at 247,1544 h25 r270
  text "BIAS" at 212,1173 h25 r270
  text "REF" at 250.5,1160 h25 r270
  text "IN8N" at 212,1073 h25 r270
  text "IN8P" at 250.5,1073 h25 r270
  text "CLK" at 1380.28,1043 h25 r90
  text "IN7N" at 212,973 h25 r270
  text "IN7P" at 250.5,973 h25 r270
  text "DRDY" at 1380.28,942.3 h25 r90
  text "PD7" at 1635.28,942.3 h25 r90
  text "IN6N" at 212,873 h25 r270
  text "IN6P" at 250.5,873 h25 r270
  text "PB4" at 1635.28,841.81 h25 r90
  text "DOUT" at 1380.28,834.37 h25 r90
  text "IN5N" at 212,773 h25 r270
  text "IN5P" at 250.5,773 h25 r270
  text "PB3" at 1635.28,741.32 h25 r90
  text "SCLK" at 1380.28,724.37 h25 r90
  text "IN4N" at 212,673 h25 r270
  text "IN4P" at 250.5,673 h25 r270
  text "CS" at 1380.28,654.37 h25 r90
  text "PE3" at 1635.28,640.84 h25 r90
  text "IN3N" at 212,573 h25 r270
  text "IN3P" at 250.5,573 h25 r270
  text "PE2" at 1635.28,540.35 h25 r90
  text "PWDN" at 1380.28,535.62 h25 r90
  text "IN2N" at 212,473 h25 r270
  text "IN2P" at 250.5,473 h25 r270
  text "DIN" at 1380.28,439.86 h25 r90
  text "PB5" at 1635.28,439.86 h25 r90
  text "IN1N" at 212,373 h25 r270
  text "IN1P" at 250.5,373 h25 r270
  text "PB6" at 1635.28,339.37 h25 r90
  text "STAR" at 1380.28,321.89 h25 r90
Bottom Overlay:
  text "+" at 2575,2839 h30 r180
Mechanical 1:
  the board outline again, w20

## Text inside footprints (layer, text, board x,y; h text height)
P3: Top Overlay "+" at 2721.48,2152.08 h39.37 r90